# Altium PCB PiTopAudio.PcbDoc
Units mm, origin at the board's own origin, x right, y up, seen from the top; angles counter-clockwise.
Board outline 58.99 x 68.68 mm, 2 copper layers (Top Layer, Bottom Layer), stack 1.071 mm thick; 42 components, 27 nets, 213 pads, 61 vias.
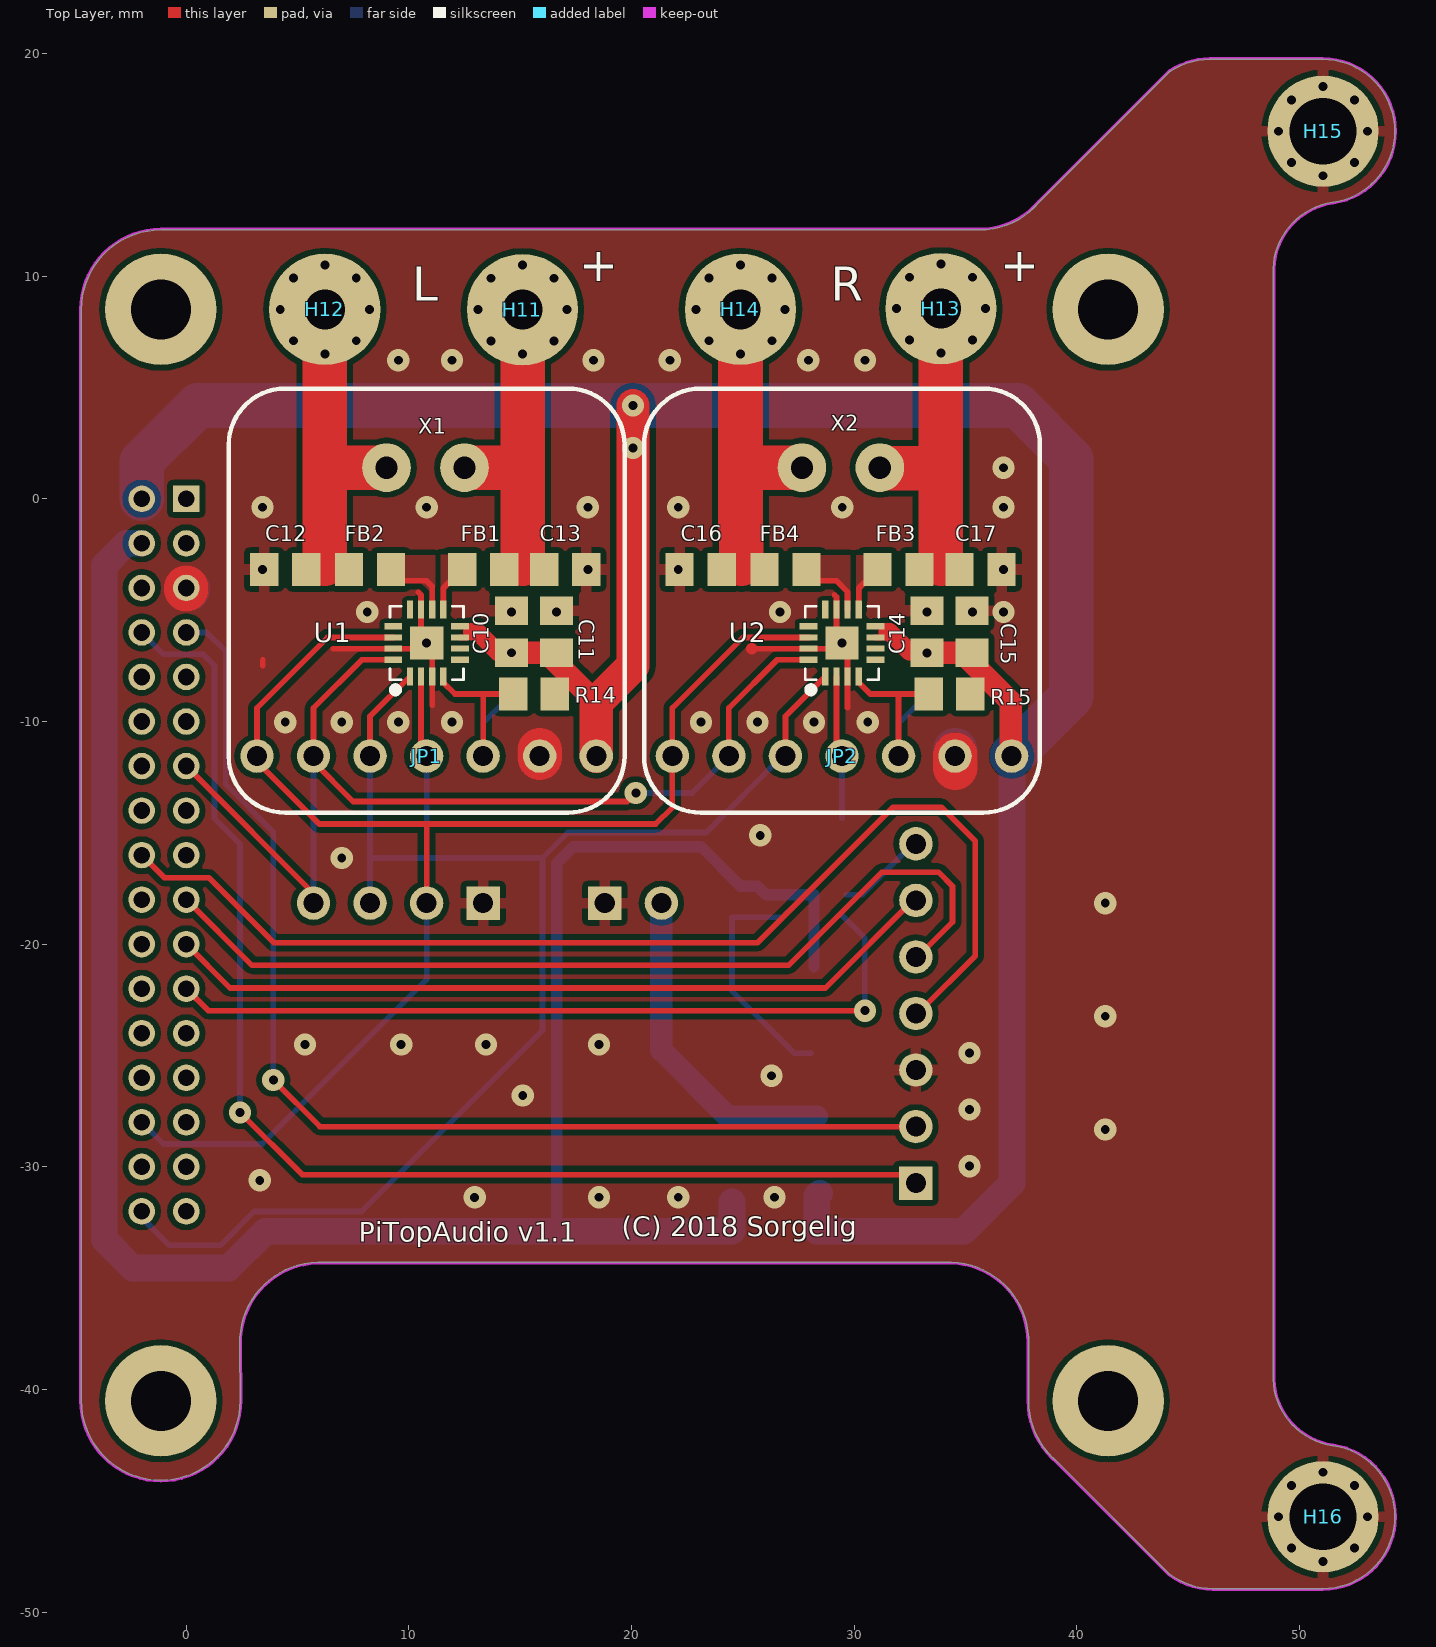
[diagram p0: Top Layer view]
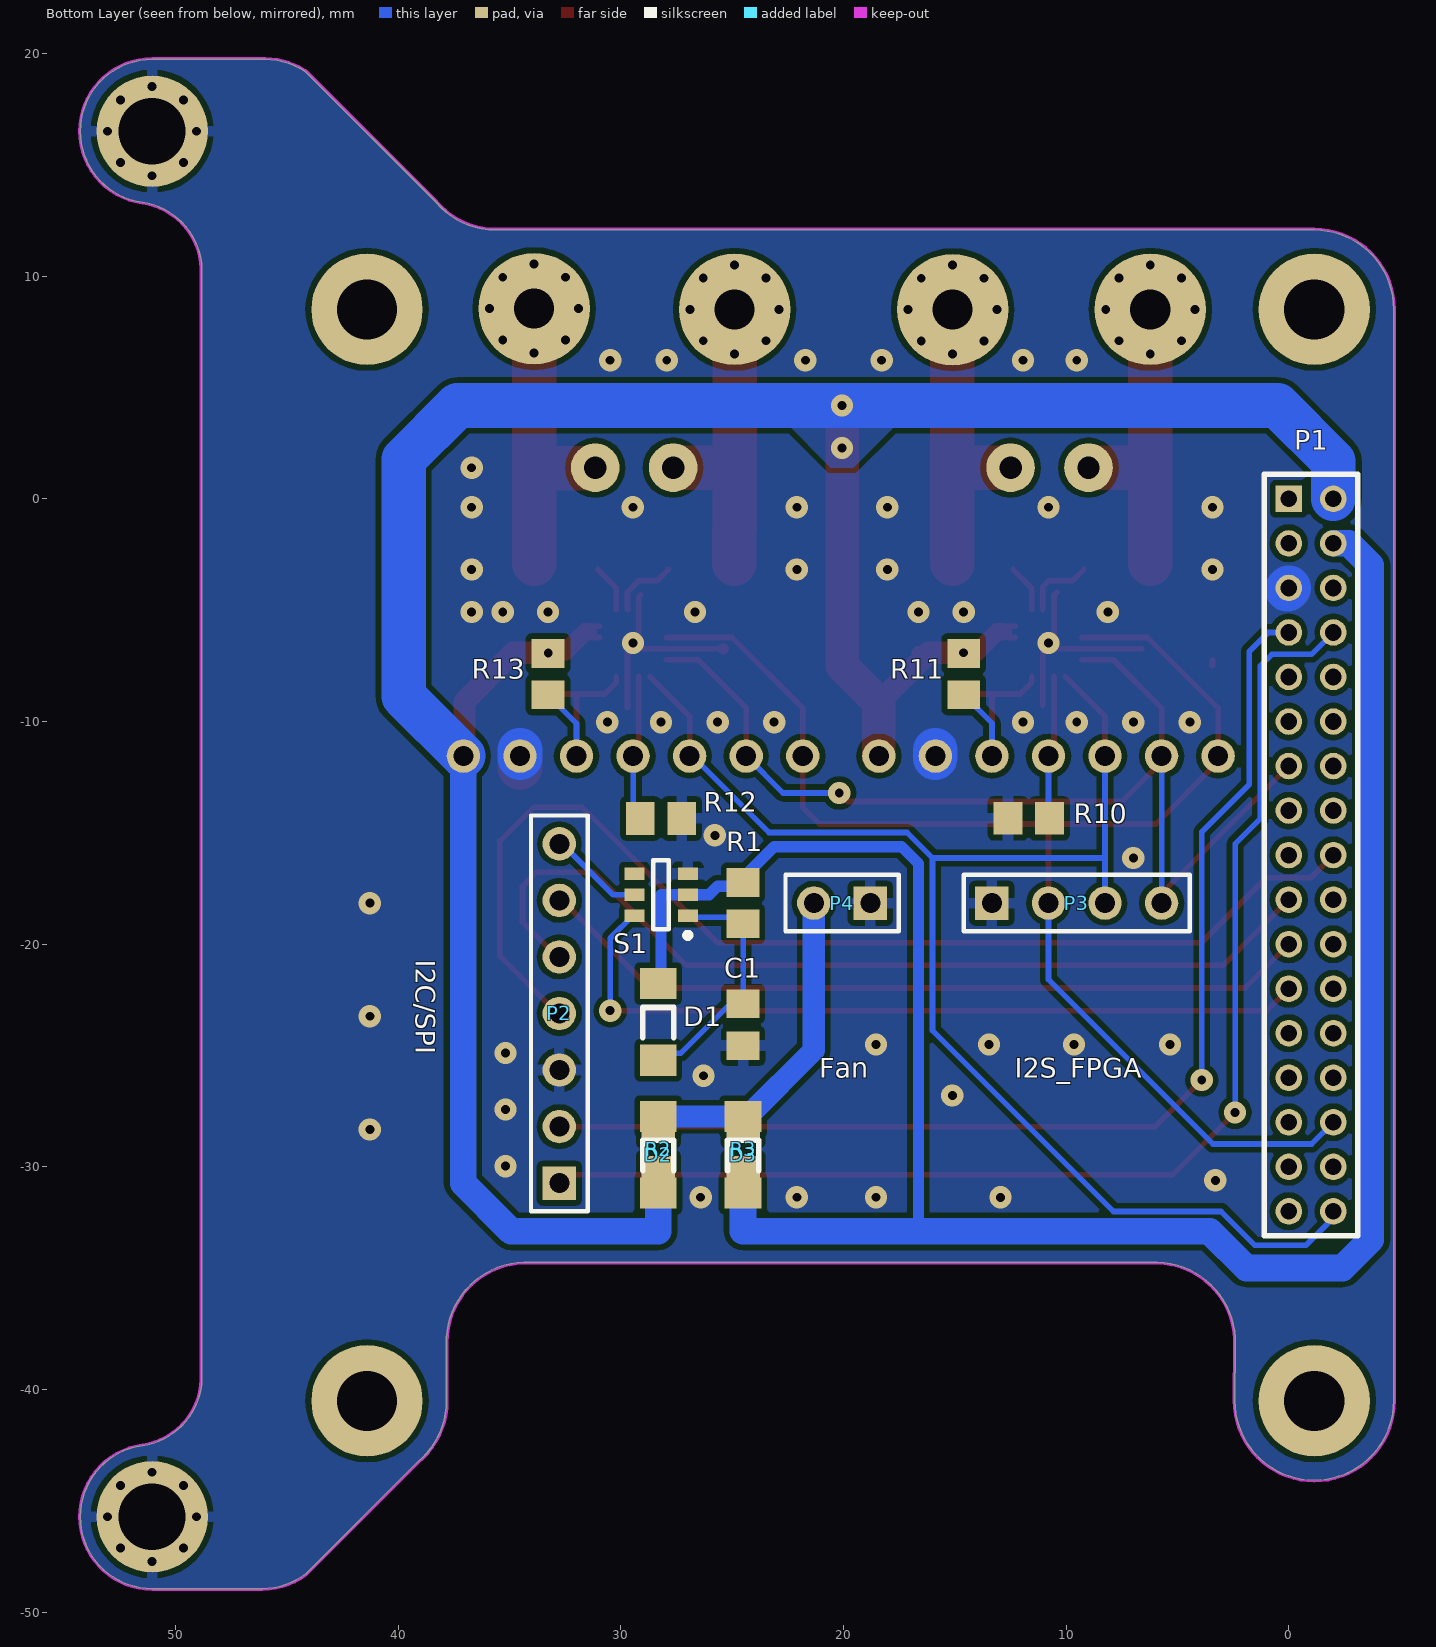
[diagram p1: Bottom Layer view, seen from below]
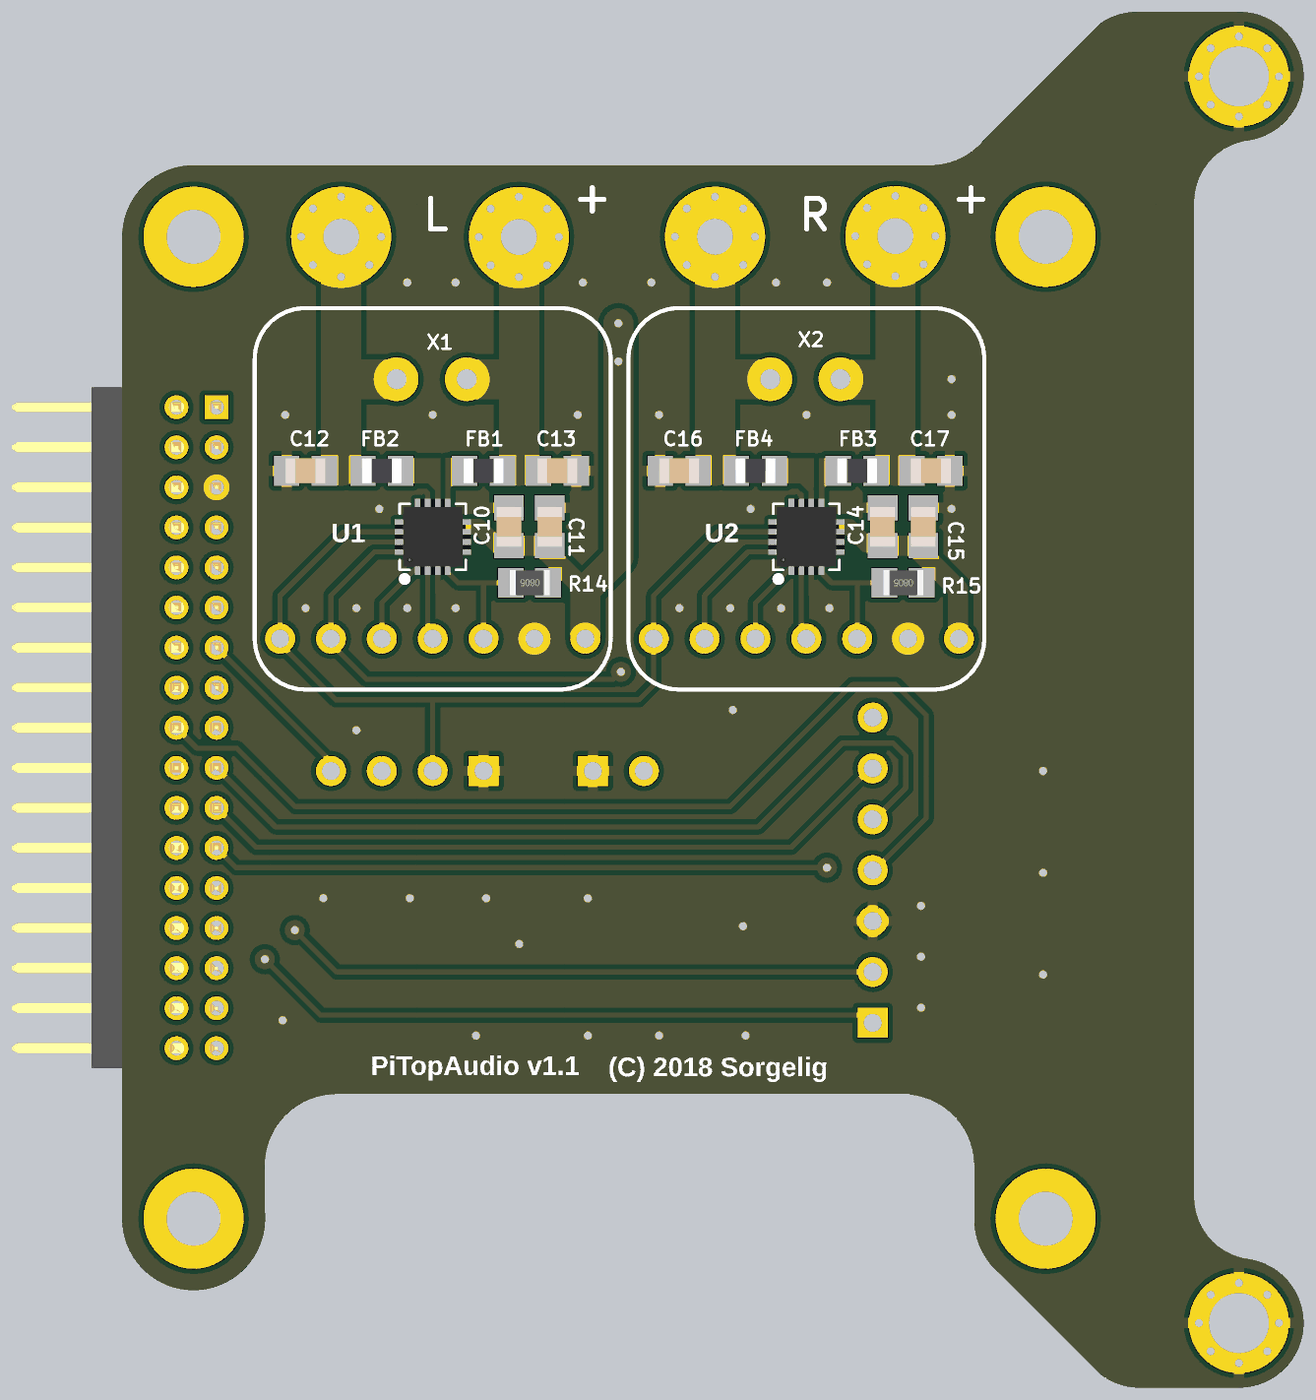
[diagram p2: 3D render of the assembled board from above, using the file's embedded part models]
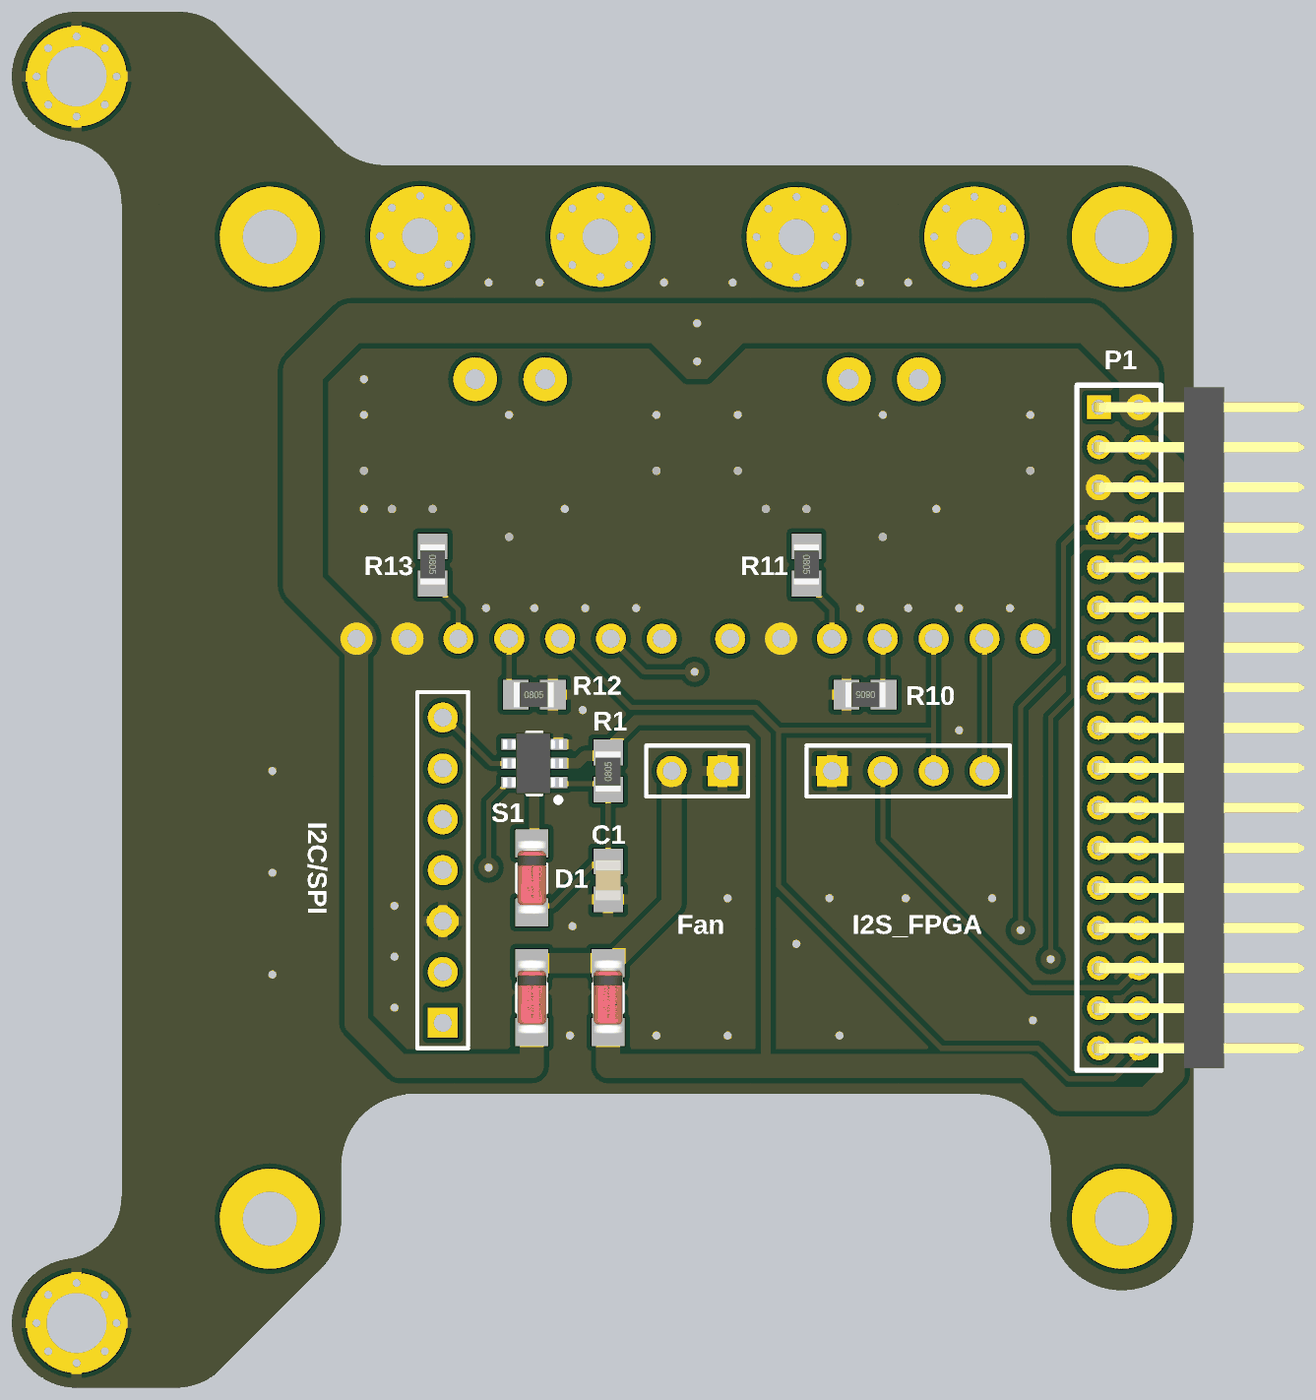
[diagram p3: 3D render of the assembled board from below, using the file's embedded part models]

## Layer stack, top to bottom
Top Solder: solder mask 0.0102, Solder Resist, Dk 3.5
Top Layer: signal copper 0.0356
Dielectric 1: dielectric 1, FR-4, Dk 4.8
Bottom Layer: signal copper 0.0356
Bottom Solder: solder mask 0.0102, Solder Resist, Dk 3.5

## Board outline
-1.143,-44.078 cw(c-1.143,-40.511) -4.71,-40.511 -4.71,8.511 cw(c-1.143,8.511) -1.143,12.078 35.635,12.078 ccw(c35.635,15.549) 38.294,13.318 44.16,19.184 cw(c44.195,19.148) 44.189,19.198 cw(c45.974,16.512) 45.974,19.737 51.054,19.737 cw(c51.054,16.512) 54.279,16.512 cw(c51.054,16.512) 51.503,13.318 ccw(c51.938,10.224) 48.815,10.325 cw(c48.769,10.307) 48.818,10.306 48.818,-39.512 cw(c48.769,-39.513) 48.815,-39.531 ccw(c51.938,-39.43) 51.502,-42.524 cw(c51.054,-45.718) 54.279,-45.718 cw(c51.054,-45.718) 51.054,-48.943 46.101,-48.943 cw(c46.101,-45.718) 44.166,-48.298 39.129,-43.262 cw(c41.407,-40.511) 37.835,-40.511 37.835,-37.973 ccw(c34.258,-37.867) 34.364,-34.29 5.901,-34.29 ccw(c5.991,-37.876) 2.405,-37.973 2.424,-40.511 cw(c-1.143,-40.511)

## Design rules (kind name [scope] priority, off if disabled: settings)
BoardOutlineClearance [All] p1: gap=0 ignorepadtopadclearanceinfootprint=FALSE
Clearance keep-out_clearance [InNamedPolygon('ground') vs OnLayer('Keep-Out Layer')] p1: gap=0 ignorepadtopadclearanceinfootprint=FALSE
Clearance [(InComponent('U1') OR InComponent('U2'))] p2: gap=0.2 ignorepadtopadclearanceinfootprint=TRUE except(0: Arc-Hole Track-Hole SMDPad-Hole THPad-Hole Via-Hole Fill-Hole Poly-Hole Region-Hole Text-Hole)
Clearance Clearance_1 [All] p3: gap=0.254 ignorepadtopadclearanceinfootprint=TRUE except(0: Arc-Hole Track-Hole SMDPad-Hole THPad-Hole Via-Hole Fill-Hole Poly-Hole Region-Hole Text-Hole; 0.1: Arc-Arc Arc-Track Arc-SMDPad Track-Track Track-SMDPad)
ComponentClearance [All] p1 off: gap=0.254 collisioncheckmode=3 verticalgap=0.254 showdistances=FALSE
Height [All] p1 off: minheight=0 maxheight=25.4 prefheight=12.7
HoleSize [All] p1: absolutevalues=TRUE maxlimit=6 minlimit=0.025 maxpercent=80.000 minpercent=20.000
MinimumSolderMaskSliver [InComponent('U*')] p1: minsoldermaskwidth=0.2
MinimumSolderMaskSliver MinimumSolderMaskSliver_1 [All] p2: minsoldermaskwidth=0.25
PolygonConnect PolygonConnect_1 [InNet('NetFB*')] p1: connectstyle=Direct reliefconductorwidth=0.762 reliefentries=4 polygonreliefangle="90 Angle" airgapwidth=0.254
PolygonConnect PolygonConnect_2 [IsVia] p2: connectstyle=Direct reliefconductorwidth=0.762 reliefentries=4 polygonreliefangle="90 Angle" airgapwidth=0.254
PolygonConnect [not IsVia] p3: connectstyle=Relief reliefconductorwidth=0.5 reliefentries=4 polygonreliefangle="90 Angle" airgapwidth=0.254
RoutingVias [All] p1: holewidth=0.4 width=1 viastyle="Through Hole" minholewidth=0.4 minwidth=1 maxholewidth=0.4 maxwidth=1
SilkToSolderMaskClearance [IsPad] p1 off: minsilkscreentomaskgap=0.127 clearancetoexposedcopper=TRUE
SolderMaskExpansion SolderMaskExpansion_U1 [InComponent('U1')] p1: expansion=0
SolderMaskExpansion [All] p2: expansion=0.051
Width Width_power [InNetClass('power')] p1: maxlimit=2 minlimit=0.254 preferedwidth=0.508 minimp=50.000000 maximp=50.000000 favimp=50.000000
Width Width_signal [All] p2: maxlimit=2 minlimit=0.254 preferedwidth=0.254 minimp=50.000000 maximp=50.000000 favimp=50.000000
25 further rules are at their usual default settings.

## Classes and differential pairs
component class audio: C10 C11 C12 C13 C14 C15 C16 C17 FB1 FB2 FB3 FB4 H11 H12 H13 H14 H15 H16 JP1 JP2 P3 R10 R11 R12 R13 R14 R15 U1 U2 X1 X2
component class serial: C1 D1 D2 D3 P1 P2 P2R P4 R1 R2 R3 S1
net class power: 3.3V 5V GND NetD2_2

## Components (designator, comment, footprint, x,y, rotation, side; value= is the part's Value field where it differs from the comment)
C1 "C0805" C0805 24.511,-23.62 r90 bottom value=10uF
C10 "C0805" C0805 14.605,-5.967 r270 top value=0.1uF
C11 "C0805" C0805 16.637,-5.967 r270 top value=10uF
C12 "C0805" C0805 4.445,-3.173 r0 top value=220pF
C13 "C0805" C0805 17.018,-3.173 r180 top value=220pF
C14 "C0805" C0805 33.261,-5.967 r270 top value=0.1uF
C15 "C0805" C0805 35.293,-5.967 r270 top value=10uF
C16 "C0805" C0805 23.101,-3.173 r0 top value=220pF
C17 "C0805" C0805 35.674,-3.173 r180 top value=220pF
D1 "1N4148" DIODE 28.321,-23.493 r270 bottom
D2 "Diode" DIODE 28.321,-29.462 r270 bottom
D3 "Diode" DIODE 24.511,-29.462 r270 bottom
FB1 "Ferrite" FB0805 13.335,-3.173 r0 top
FB2 "Ferrite" FB0805 8.255,-3.173 r180 top
FB3 "Ferrite" FB0805 31.991,-3.173 r0 top
FB4 "Ferrite" FB0805 26.911,-3.173 r180 top
H11 "M3" M3#1 15.1,8.498 r90 top locked
H12 "M3" M3#1 6.223,8.511 r90 top locked
H13 "M3" M3#1 33.896,8.543 r90 top locked
H14 "M3" M3#1 24.892,8.511 r90 top locked
H15 "M3" M3#2 51.054,16.512 r270 top locked
H16 "M3" M3#2 51.054,-45.718 r270 top locked
JP1 "Header 7" HDR1X7#1 18.415,-11.555 r180 top
JP2 "Header 7" HDR1X7#1 37.071,-11.555 r180 top locked
P1 "HDR17x2" HDR17X2_90 0,0 r90 bottom locked
P2 "I2C/SPI" HDR1X7#2 32.766,-30.732 r90 bottom
P3 "I2S_FPGA" HDR1X4 13.335,-18.159 r180 bottom
P4 "Fan" HDR1X2 18.796,-18.159 r0 bottom
R1 "100K" R0805 24.511,-18.159 r90 bottom
R2 "10" 6-0805 28.321,-29.208 r90 bottom
R3 "10" 6-0805 24.511,-29.208 r90 bottom
R10 "100K" R0805 11.684,-14.349 r0 bottom
R11 "1K" R0805 14.605,-7.874 r270 bottom
R12 "100K" R0805 28.194,-14.351 r180 bottom
R13 "620K" R0805 33.274,-7.874 r270 bottom
R14 "1M" R0805 15.621,-8.761 r180 top
R15 "1M" R0805 34.277,-8.761 r180 top
S1 "STG719STR" SOT23-6_L 28.194,-17.778 r0 bottom
U1 "MAX98357A" QFN16_3MM 10.795,-6.475 r90 top
U2 "MAX98357A" QFN16_3MM 29.451,-6.475 r90 top
X1 "TERMBLOCK_1X2" TERMBLOCK_1X2-3.5MM 10.795,1.399 r180 top locked
X2 "TERMBLOCK_1X2" TERMBLOCK_1X2-3.5MM 29.451,1.399 r180 top locked

## Footprints (in the part's own frame and the unit in brackets; to place one, negate y for a bottom-side part, rotate by r counter-clockwise, add the part's x,y. Pads: shape width x height; smd on the part's side, far side on the other; paste and mask are expansions set on the pad)
6-0805 [mm] "Chip Resistor; Body 2 x 1.2 mm (LxW typ)"
  rect 1.3x1.5 smd: 1(-0.95,0) 2(0.95,0)
C0805 [mm] "Capacitor, Chip; 2.35 mm L X 1.35 mm W X 1.00 mm H body"
  rect 1.27x1.48 smd: 1(-0.945,0) 2(0.945,0)
  body extent -1,-0.63 1,0.63, height 0.58
DIODE [mm] "Diode, Chip; 4.05 mm L X 1.55 mm W X 1.50 mm H body"
  rect 1.4x1.65 smd: 1(1.72,0) 2(-1.72,0)
  silkscreen extent -0.65,-0.7 0.7,0.7, body extent -1.88,-0.8 1.82,0.8, height 1.6
FB0805 [mm] "Ferrite Bead 0805"
  rect 1.27x1.48 smd: 1(-0.945,0) 2(0.945,0)
  body extent -1,-0.62 1,0.63, height 0.83
HDR1X2 [mm] "Connector; Header; 2 Position"
  rect 1.5x1.5 hole 0.9: 1(0,0)
  round 1.5 hole 0.9: 2(2.54,0)
  silkscreen extent -1.27,-1.27 3.81,1.27
HDR1X4 [mm] "Connector; Header; 4 Position"
  rect 1.5x1.5 hole 0.9: 1(0,0)
  round 1.5 hole 0.9: 2(2.54,0) 3(5.08,0) 4(7.62,0)
  silkscreen extent -1.27,-1.27 8.89,1.27
HDR1X7#1 [mm] "Connector; Header; 7 Position"
  round 1.5 hole 0.9: 1(0,0) 2(2.54,0) 3(5.08,0) 4(7.62,0) 5(10.16,0) 6(12.7,0) 7(15.24,0)
HDR1X7#2 [mm] "Connector; Header; 7 Position"
  rect 1.5x1.5 hole 0.9: 1(0,0)
  round 1.5 hole 0.9: 2(2.54,0) 3(5.08,0) 4(7.62,0) 5(10.16,0) 6(12.7,0) 7(15.24,0)
  silkscreen extent -1.27,-1.27 16.51,1.27
HDR17X2_90 [mm] "Header, Right Angle Post, 2.00 mm pitch; 0.50 mm lead width, 34 pins, 2 rows, 17 pins per row, 34.00 mm L X 2.00 mm W X 4.00 mm H body"
  rect 1.19x1.19 hole 0.75 paste-1.19: 1(0,0)
  round 1.19 hole 0.75 paste-1.19: 2(0,-2) 3(-2,0) 4(-2,-2) 5(-4,0) 6(-4,-2) 7(-6,0) 8(-6,-2) 9(-8,0) 10(-8,-2) 11(-10,0) 12(-10,-2) 13(-12,0) 14(-12,-2) 15(-14,0) 16(-14,-2) 17(-16,0) 18(-16,-2) 19(-18,0) 20(-18,-2) 21(-20,0) 22(-20,-2) 23(-22,0) 24(-22,-2) 25(-24,0) 26(-24,-2) 27(-26,0) 28(-26,-2) 29(-28,0) 30(-28,-2) 31(-30,0) 32(-30,-2) 33(-32,0) 34(-32,-2)
  silkscreen extent -33.1,-3.1 1.1,1.1, body extent -33,-10.24 1,0.25, height 4
M3#1 [mm] "Mounting Hole, Plated; 5.00 mm Pad, 3.00 mm Hole (with 8 vias)"
  round 0.6 hole 0.4 paste-0.6 mask-0.6: 1(-2,0) 1(-1.41,-1.41) 1(-1.41,1.41) 1(0,-2) 1(1.41,-1.41) 1(1.41,1.41) 1(2,0)
  round 0.6 hole 0.4 paste-0.4 mask-0.4: 1(0,2)
  round 5 hole 1.8: 1(0,0)
M3#2 [mm] "Mounting Hole, Plated; 5.00 mm Pad, 3.00 mm Hole (with 8 vias)"
  round 0.6 hole 0.4 paste-0.6 mask-0.6: 1(-2,0) 1(-1.41,1.41) 1(-1.41,-1.41) 1(0,-2) 1(1.41,1.41) 1(1.41,-1.41) 1(2,0)
  round 0.6 hole 0.4 paste-0.4 mask-0.4: 1(0,2)
  round 5 hole 3: 1(0,0)
QFN16_3MM [mil] "QFN16_3MM"
  rect 31.5x11.02 smd mask+0: 1(-59.06,29.53) 2(-59.06,9.84) 3(-59.06,-9.84) 4(-59.06,-29.53) 9(59.06,-29.53) 10(59.06,-9.84) 11(59.06,9.84) 12(59.06,29.53)
  rect 11.02x31.5 smd mask+0: 5(-29.53,-59.06) 6(-9.84,-59.06) 7(9.84,-59.06) 8(29.53,-59.06) 13(29.53,59.06) 14(9.84,59.06) 15(-9.84,59.06) 16(-29.53,59.06)
  rect 59.06x59.06 smd paste-29.53: THERMAL(0,0)
  silkscreen extent -88,-65 65,65, body extent -59,-59 59,59, height 36
R0805 [mm] "Resistor, Chip; 2.32 mm L X 1.25 mm W X 1.00 mm H body"
  rect 1.29x1.47 smd: 1(-0.93,0) 2(0.93,0)
  body extent -1.03,-0.62 0.97,0.63, height 0.42
SOT23-6_L [mm] "SOT23, 6-Leads, Body 2.9x1.6mm, Pitch 0.95mm, Lead Span 2.7mm, IPC High Density"
  rect 0.9x0.56 smd mask+0.051: 1(-1.2,0.95) 2(-1.2,0) 3(-1.2,-0.95) 4(1.2,-0.95) 5(1.2,0) 6(1.2,0.95)
  silkscreen extent -1.32,-1.55 0.35,1.95, body extent -1.44,-1.52 1.56,1.53, height 1.37
TERMBLOCK_1X2-3.5MM [mil] "TERMBLOCK_1X2-3.5MM"
  round 86 hole 39.37: 1(70.87,0) 2(-66.93,0)

## Part data
C1 C10 C11 C12 C13 C14 C15 C16 C17: "Ceramic Chip Capacitor - Standard", PackageDocument=Mar-2001, Code_IPC=2012[0805], Code_JEITA=0805, ComponentLink1Description="Manufacturer Link", ComponentLink1URL=http://www.kemet.com/, ComponentLink2Description=Datasheet, ComponentLink2URL=http://www.kemet.com/kemet/web/homepage/kechome.nsf/vapubfilesname/F3102TA.pdf/$file/F3102TA.pdf, DatasheetDocument=Mar-2001, LatestRevisionDate=19-Mar-2004, LatestRevisionNote="Silkscreen size reduced.", Note="Footprint corresponds to dimensions for bulk cassette packaging. This case size has tightened tolerances.", PackageReference=0805, Published=17-Jul-2002, Publisher="Altium Limited"
D1: library part Diode, "Default Diode", Code_JEDEC=DO-214-AB, LatestRevisionDate=17-Jul-2002, LatestRevisionNote="Re-released for DXP Platform.", PackageDescription="DO-214-AB/SMC; 2 C-Bend Leads; Body 7.9 x 5.9 mm, inc. leads (LxW)", PackageReference=SMC, PackageVersion=Sep-1996, Published=8-Jun-2000, Publisher="Altium Limited"
D2 D3: "Default Diode", Code_JEDEC=DO-214-AB, LatestRevisionDate=17-Jul-2002, LatestRevisionNote="Re-released for DXP Platform.", PackageDescription="DO-214-AB/SMC; 2 C-Bend Leads; Body 7.9 x 5.9 mm, inc. leads (LxW)", PackageReference=SMC, PackageVersion=Sep-1996, Published=8-Jun-2000, Publisher="Altium Limited"
FB1 FB2 FB3 FB4: library part FERRITE-0805NO, "Ferrite Bead   0603 MMZ1608B121C - 120 Ohm @ 100MHz, 600mA, 0.15 Ohm DC Resistance - Digikey: 445-2164-1-ND  BK1608HW121-T - 120 Ohm, 600mA Ferrite Chip - Digikey: 587-1876-2-ND       0805 HZ0805B272R-10 - 2.7K Ohm @ 100MHz, 200mA, 0.8 Ohm DC Resistance - Digikey: 240-2504-1-ND (see also Murata BLM21BD272SN1L)  MMZ2012Y152B - 1.5K Ohm @ 100MHz, 500mA, 0.4 Ohm DC Resistance - Digikey: 445-1560-1-ND - Mainly for high frequency (80-400MHz)  MMZ2012R102A - 1K Ohm @ 100MHz, 500mA, 0.3 Ohm DC Resistance - Digikey: 445-1555-2-ND - More general purpose (10-200MHz)"
JP1 JP2: "Header, 7-Pin", LatestRevisionDate=17-Jul-2002, LatestRevisionNote="Re-released for DXP Platform.", Publisher="Altium Limited"
P2: library part "Header 7", "Header, 7-Pin", LatestRevisionDate=17-Jul-2002, LatestRevisionNote="Re-released for DXP Platform.", Publisher="Altium Limited"
P3: library part "Header 4", "Header, 4-Pin", LatestRevisionDate=17-Jul-2002, LatestRevisionNote="Re-released for DXP Platform.", Publisher="Altium Limited"
P4: library part "Header 2", "Header, 2-Pin", LatestRevisionDate=17-Jul-2002, LatestRevisionNote="Re-released for DXP Platform.", Publisher="Altium Limited"
R1 R2 R3 R10 R11 R12 R13 R14 R15: library part ERJ6RS, "Low Ohmic Value Thick Film Chip Resistor, 0.1 Ohm to 0.2 Ohm Range, 1%, 2% and 5% Tolerance, 0805 Size, 0.125 W", PackageDocument=Mar-2003, Code_IPC="2012 [0805]", ComponentLink1Description="Manufacturer Link", ComponentLink1URL=http://www.panasonic.com/industrial/components/resistive_products.htm, ComponentLink2Description=Datasheet, ComponentLink2URL=http://www.panasonic.com/industrial/components/pdf/AOA0000CE3.pdf, LatestRevisionDate=19-Mar-2004, LatestRevisionNote="Silkscreen size reduced.", PackageReference=6-0805, Published=17-Dec-2003, Publisher="Altium Limited"
S1: "STMICROELECTRONICS - STG719STR - IC, SWITCH, SPDT, SMD", Manufacturer_Name=STMicroelectronics, Datasheet Link=http://www.st.com/content/ccc/resource/technical/document/datasheet/10/33/73/59/23/59/49/0b/CD00002039.pdf/files/CD00002039.pdf/jcr:content/translations/en.CD00002039.pdf, Geometry.Height=1.45mm, Manufacturer_Part_Number=STG719STR, Supplier_Name=RS
U1 U2: library part MAX98357, "MAX98357 - 3.2W I2S Mono Audio Amp", VDD:Op.Temp="VDD:  / Op. Temp:"
X1 X2: "3.5mm Terminal block    http://www.ladyada.net/library/pcb/eaglelibrary.html"

## Free pads (board coordinates)
  round 5 hole 2.7: ""(-1.143,-40.511) ""(-1.143,8.511) ""(41.402,-40.511) ""(41.402,8.511)

## Via types
v1: diameter 1, hole 0.4, Top Layer to Bottom Layer, tented both sides, 61 vias

## Nets (pads, with @x,y where several pads share a name; then routed paths per layer and width w, separated by ;. In a path a pad name is that pad's centre, name@x,y a point inside that pad or via, vN(x,y) a via of type N, cw(c..) or ccw(c..) an arc to the next point about the centre after c; other vN are vias at no path point)
3.3V: D1.2 D3.1 P1.4 R1.2 R3.1 S1.2 | length 95.6
  Bottom Layer w0.508: 16.637,-32.893 16.637,-16.383 17.399,-15.621 23.114,-15.621 24.892,-17.399 25.654,-17.399 26.035,-17.78 28.194,-17.78 28.194,-21.011
  Bottom Layer w1.2: P1.4 -2.697,-2 -3.683,-2.986 -3.683,-33.272 -2.413,-34.542 1.905,-34.542 3.554,-32.893 16.637,-32.893 24.511,-32.893 D3.1@24.511,-31.563
5V: C10.2 C11.2 C14.2 C15.2 D2.1 JP1.1 JP2.1 P1.2 R2.1 R11.1 R13.1 R14.1 R15.1 U1.7 U1.8 U2.7 U2.8 | length 128.3
  Top Layer w0.254: U1.7 12.569,-6.225 ccw(c12.569,-5.967) 12.827,-5.967 ccw(c12.585,-5.967) 12.585,-5.725 U1.8 ; U2.7 31.225,-6.225 ccw(c31.225,-5.967) 31.483,-5.967 ccw(c31.241,-5.967) 31.241,-5.725 U2.8
  Top Layer w0.508: v1(33.261,-6.917) C14.2
  Top Layer w0.61: C11.2@16.19,-6.917 C11.2@16.637,-6.917 ; JP1.1@18.369,-11.561 JP1.1@18.37,-11.555
  Top Layer w0.8: 12.827,-5.967 13.081,-5.967 14.026,-6.912 v1(14.605,-6.912) ; 31.483,-5.967 31.501,-5.985 31.6,-5.985 32.471,-6.856 C14.2@32.639,-6.856
  Top Layer w1: C10.2@14.61,-6.917 16.19,-6.917 18.415,-9.142 JP1.1 JP1.1@18.413,-11.557 ; v1(33.261,-6.917) 34.846,-6.917 35.067,-7.138 37.027,-9.098 JP2.1@37.027,-11.55
  Top Layer w1.5: JP1.1@18.413,-11.557 JP1.1 18.415,-9.142 20.066,-7.491 v1(20.066,2.288) v1(20.066,4.193)
  Bottom Layer w0.508: JP2.1 JP2.1@37.071,-11.288
  Bottom Layer w1.2: D2.1@28.448,-31.182 28.321,-31.309 28.321,-32.893 34.925,-32.893 37.084,-30.734 JP2.1@37.084,-11.542
  Bottom Layer w2: P1.2 -2,1.685 0.508,4.193 v1(20.066,4.193) 37.338,4.193 39.751,1.78 39.751,-8.875 JP2.1@37.084,-11.542
GND: C1.1 C10.1 C11.1 C12.1 C13.1 C14.1 C15.1 C16.1 C17.1 H15.1 H16.1 JP1.2 JP2.2 P1.5 P2.3 P3.1 P4.1 R10.2 R12.2 S1.3 U1.3 U1.11 U1.15 U1.THERMAL U2.3 U2.11 U2.15 U2.THERMAL | length 18.8
  Top Layer w0.254: 3.429,-7.491 3.429,-7.237 ; 6.604,-6.725 U1.15 U1.THERMAL@10.545,-6.725 ; 10.414,-4.189 10.498,-4.273 ; U1.THERMAL@10.545,-6.225 U1.11 10.545,-4.316 ; 11.045,-9.265 U1.3 U1.THERMAL@11.045,-6.725 ; 25.404,-6.725 U2.15 U2.THERMAL@29.201,-6.725 ; 29.117,-4.316 29.201,-4.4 U2.11 U2.THERMAL@29.201,-6.225 ; 29.701,-9.379 U2.3 U2.THERMAL@29.701,-6.725
  Top Layer w0.508: 25.4,-6.729 25.404,-6.725
  Top Layer w2: P1.5@0,-4.062 P1.5 ; JP1.2@15.875,-11.617 JP1.2 JP1.2@15.875,-11.301 ; JP2.2@34.531,-12.065 JP2.2 JP2.2@34.531,-11.493
  Bottom Layer w2: P1.5 P1.5@0.062,-4.062 ; JP1.2@15.875,-11.617 JP1.2 JP1.2@15.875,-11.301 ; JP2.2@34.531,-11.617 JP2.2 JP2.2@34.531,-11.301
  other v1: 12.954,-31.369 18.542,-31.367 22.098,-31.367 26.416,-31.367 3.302,-30.607 35.179,-29.97 41.275,-28.319 35.179,-27.43 15.113,-26.797 26.289,-25.908 35.179,-24.89 5.334,-24.509 9.652,-24.509 13.462,-24.509 18.542,-24.509 41.275,-23.239 41.275,-18.159 6.985,-16.129 25.781,-15.113 4.445,-10.031 6.985,-10.031 9.525,-10.031 11.938,-10.031 23.114,-10.031 25.654,-10.031 28.194,-10.031 30.607,-10.031 10.795,-6.475 29.451,-6.475 8.128,-5.078 14.605,-5.078 16.637,-5.078 26.67,-5.078 33.274,-5.078 35.306,-5.078 36.703,-5.078 3.429,-3.173 18.034,-3.173 22.098,-3.173 36.703,-3.173 3.429,-0.379 10.795,-0.379 18.034,-0.379 22.098,-0.379 29.464,-0.379 36.703,-0.379 36.703,1.399 9.525,6.225 11.938,6.225 18.288,6.225 21.717,6.225 27.94,6.225 30.48,6.225
I2S_BCLK: JP1.6 JP2.6 P1.13 P3.4 U1.16 U2.16 | length 49
  Top Layer w0.254: P1.13 5.969,-17.969 P3.4@5.969,-18.159 ; U1.16 7.886,-7.225 5.715,-9.396 JP1.6 5.715,-11.809 7.495,-13.589 19.812,-13.589 v1(20.193,-13.208) ; JP2.6 24.371,-9.396 26.542,-7.225 U2.16
  Bottom Layer w0.254: P3.4 JP1.6 ; v1(20.193,-13.208) 22.718,-13.208 JP2.6
I2S_DATA: JP1.5 JP2.5 P1.34 P3.3 U1.1 U2.1 | length 67.3
  Top Layer w0.254: JP1.5@8.128,-11.682 JP1.5 8.255,-9.765 U1.1 ; JP2.5 26.911,-9.765 U2.1
  Bottom Layer w0.254: P1.34 -2,-32.288 -0.762,-33.526 1.524,-33.526 3.046,-32.004 7.874,-32.004 16.002,-23.876 16.002,-16.129 ; 8.255,-16.383 8.255,-16.129 ; 8.255,-15.621 8.255,-16.129 ; 8.255,-15.49 JP1.5@8.255,-11.682 ; 8.255,-15.363 8.255,-16.129 ; P3.3@8.509,-18.159 8.255,-17.905 8.255,-16.129 ; JP2.5@26.784,-11.555 23.353,-14.986 17.145,-14.986 16.002,-16.129 ; 8.255,-16.129 16.002,-16.129
I2S_LRCLK: JP1.7 JP2.7 P1.30 P3.2 U1.14 U2.14 | length 65.3
  Top Layer w0.254: U1.14 6.346,-6.225 3.175,-9.396 JP1.7 3.175,-11.809 5.971,-14.605 10.795,-14.605 ; P3.2@11.049,-18.159 10.795,-17.905 10.795,-14.605 ; U2.14 25.002,-6.225 21.831,-9.396 JP2.7 21.831,-13.856 21.082,-14.605 10.795,-14.605
  Bottom Layer w0.254: P1.30 -1.024,-28.976 3.407,-28.976 10.795,-21.588 10.795,-18.413 P3.2@11.049,-18.159
MISO: P1.19 P2.5 | length 41.5
  Top Layer w0.254: P1.19 2.953,-20.953 27.053,-20.953 31.242,-16.764 33.782,-16.764 34.417,-17.399 34.417,-19.007 32.979,-20.445 P2.5@32.766,-20.445
MOSI: P1.18 P2.4 | length 51.1
  Top Layer w0.254: P1.18 -0.984,-17.016 1.016,-17.016 3.937,-19.937 25.656,-19.937 31.75,-13.843 33.909,-13.843 35.433,-15.367 35.433,-20.531 32.979,-22.985 P2.4@32.766,-22.985
NetC1_2: C1.2 D1.1 R1.1 S1.1 | length 10.6
  Bottom Layer w0.254: S1.1@26.994,-18.581 26.779,-18.796 24.511,-18.796 R1.1 24.511,-22.098 27.305,-24.892 D1.1@28.067,-24.892
NetC12_2: C12.2 FB2.2 H12.1 X1.1 | length 14.6
  Top Layer w0.813: X1.1@8.63,1.034 cw(c9.029,-0.711) X1.1@9.029,1.079
  Top Layer w2: 6.223,-2.919 6.223,1.399 ; H12.1@6.223,8.511 6.223,6.511 6.223,1.399 ; X1.1 6.223,1.399
NetC13_2: C13.2 FB1.2 H11.1 X1.2 | length 14.1
  Top Layer w0.254: H11.1@15.1,6.498 H11.1@15.1,8.498
  Top Layer w2: X1.2 15.112,1.399 ; 15.113,-2.919 H11.1@15.113,6.498 ; H11.1@15.113,8.498 H11.1@15.113,8.543
NetC16_2: C16.2 FB4.2 H14.1 X2.1 | length 14
  Top Layer w2: 24.892,-1.313 24.892,1.399 ; H14.1@24.892,8.384 24.892,6.511 24.892,1.399 ; 24.916,-2.919 24.916,-1.336 ; X2.1 24.892,1.399
NetC17_2: C17.2 FB3.2 H13.1 X2.2 | length 14.6
  Top Layer w0.254: H13.1@33.896,8.511 33.902,8.512 H13.1@34.499,8.638
  Top Layer w2: X2.2@31.126,1.374 33.896,1.374 ; 33.896,-2.919 33.896,1.374 ; H13.1@33.896,8.257 33.896,6.543 33.896,1.374 ; H13.1@33.896,8.511 H13.1@33.896,8.512
NetD2_2: D2.2 D3.2 P4.2 R2.2 R3.2 | length 15
  Bottom Layer w0.508: D3.2@24.313,-27.742 D3.2 ; D2.2 D2.2@28.448,-27.742
  Bottom Layer w1: P4.2 21.336,-24.765 D3.2@24.313,-27.742 ; D3.2 D2.2
NetFB1_1: FB1.1 U1.9 | length 2.1
  Top Layer w0.254: U1.9 11.545,-4.013 FB1.1@12.385,-3.173
NetFB2_1: FB2.1 U1.10 | length 3.2
  Top Layer w0.254: FB2.1@9.205,-3.173 9.713,-3.681 10.795,-3.681 11.045,-3.931 U1.10
NetFB3_1: FB3.1 U2.9 | length 2.1
  Top Layer w0.254: U2.9 30.201,-4.013 FB3.1@31.041,-3.173
NetFB4_1: FB4.1 U2.10 | length 3
  Top Layer w0.254: FB4.1@27.861,-3.173 28.369,-3.681 29.197,-3.681 29.701,-4.185 U2.10
NetJP1_3: JP1.3 R11.2 R14.2 U1.4 | length 9.7
  Top Layer w0.254: U1.4 11.545,-8.241 12.065,-8.761 13.335,-8.761 ; JP1.3 13.335,-8.761 ; R14.2@14.671,-8.761 13.335,-8.761
  Bottom Layer w0.254: JP1.3 13.335,-10.074 R11.2
NetJP1_4: JP1.4 R10.1 U1.2 | length 6.7
  Top Layer w0.254: U1.2 10.545,-11.305 ccw(c10.795,-11.305) JP1.4 JP1.4@10.754,-11.596
  Bottom Layer w0.254: R10.1@10.795,-14.476 JP1.4
NetJP2_3: JP2.3 R13.2 R15.2 U2.4 | length 9.7
  Top Layer w0.254: U2.4 30.201,-8.241 30.721,-8.761 31.991,-8.761 ; JP2.3 31.991,-8.761 ; R15.2@33.327,-8.761 31.991,-8.761
  Bottom Layer w0.254: JP2.3 31.991,-10.087 R13.2
NetJP2_4: JP2.4 R12.1 U2.2 | length 6.6
  Top Layer w0.254: U2.2 29.201,-11.305 ccw(c29.451,-11.305) JP2.4 JP2.4@29.537,-11.641
  Bottom Layer w0.254: R12.1@29.451,-14.351 JP2.4
NetP1_23: P1.23 S1.6 | length 35.6
  Top Layer w0.254: P1.23 0.985,-22.985 v1(30.48,-22.985)
  Bottom Layer w0.254: S1.6@29.439,-18.683 30.48,-19.724 v1(30.48,-22.985)
SCK: P1.21 P2.6 | length 35.3
  Top Layer w0.254: P1.21 1.969,-21.969 28.702,-21.969 P2.6@32.766,-17.905
SCL: P1.8 P2.1 | length 56
  Top Layer w0.254: v1(2.413,-27.557) 5.207,-30.351 32.512,-30.351 P2.1@32.766,-30.605
  Bottom Layer w0.254: P1.8 -1.017,-6.983 0.762,-6.983 1.27,-7.491 1.27,-14.351 2.413,-15.494 v1(2.413,-27.557)
SDA: P1.7 P2.2 | length 52
  Top Layer w0.254: v1(3.91,-26.103) 6.001,-28.194 P2.2@32.766,-28.194
  Bottom Layer w0.254: P1.7 0.922,-6 1.778,-6.856 1.778,-12.827 3.91,-14.959 v1(3.91,-26.103)
SS: P2.7 S1.5 | length 4.1
  Bottom Layer w0.254: S1.5@29.65,-17.78 30.351,-17.78 P2.7@32.766,-15.365
pads on no net: P1.1 P1.3 P1.6 P1.9 P1.10 P1.11 P1.12 P1.14 P1.15 P1.16 P1.17 P1.20 P1.22 P1.24 P1.25 P1.26 P1.27 P1.28 P1.29 P1.31 P1.32 P1.33 S1.4 U1.5 U1.6 U1.12 U1.13 U2.5 U2.6 U2.12 U2.13

## Polygon pours and split planes (outlines as drawn)
GND on Top Layer "ground" (solid, remove dead copper, pour order 46): -1.143,-44.078 cw(c-1.143,-40.511) -4.71,-40.511 -4.71,8.511 cw(c-1.143,8.511) -1.143,12.078 35.635,12.078 ccw(c35.635,15.549) 38.294,13.318 44.16,19.184 cw(c44.195,19.148) 44.189,19.198 cw(c45.974,16.512) 45.974,19.737 51.054,19.737 cw(c51.054,16.512) 54.279,16.512 cw(c51.054,16.512) 51.503,13.318 ccw(c51.938,10.224) 48.815,10.325 cw(c48.769,10.307) 48.818,10.306 48.818,-39.512 cw(c48.769,-39.513) 48.815,-39.531 ccw(c51.938,-39.43) 51.502,-42.524 cw(c51.054,-45.718) 54.279,-45.718 cw(c51.054,-45.718) 51.054,-48.943 46.101,-48.943 cw(c46.101,-45.718) 44.166,-48.298 39.129,-43.262 cw(c41.407,-40.511) 37.835,-40.511 37.835,-37.973 ccw(c34.258,-37.867) 34.364,-34.29 5.901,-34.29 ccw(c5.991,-37.876) 2.405,-37.973 2.424,-40.511 cw(c-1.143,-40.511)
NetFB2_1 on Top Layer "spk" (solid, remove dead copper, pour order 32): 10.922,-4.602 10.922,-4.138 10.497,-3.713 9.535,-3.713 9.535,-2.538 11.176,-2.538 11.176,-4.602
NetFB4_1 on Top Layer "spk" (solid, remove dead copper, pour order 38): 29.578,-4.57 29.578,-4.062 29.197,-3.681 28.234,-3.681 28.234,-2.538 29.832,-2.538 29.832,-4.57
NetFB3_1 on Top Layer "spk" (solid, remove dead copper, pour order 36): 30.086,-4.57 30.086,-2.538 31.102,-2.538 31.102,-3.808 30.34,-3.808 30.34,-4.57
NetFB1_1 on Top Layer "spk" (solid, remove dead copper, pour order 34): 11.43,-4.697 11.43,-2.516 12.446,-2.516 12.446,-3.786 11.684,-3.786 11.684,-4.697
GND on Bottom Layer "ground" (solid, remove dead copper, pour order 47): -1.143,-44.078 cw(c-1.143,-40.511) -4.71,-40.511 -4.71,8.511 cw(c-1.143,8.511) -1.143,12.078 35.635,12.078 ccw(c35.635,15.549) 38.294,13.318 44.16,19.184 cw(c44.195,19.148) 44.189,19.198 cw(c45.974,16.512) 45.974,19.737 51.054,19.737 cw(c51.054,16.512) 54.279,16.512 cw(c51.054,16.512) 51.503,13.318 ccw(c51.938,10.224) 48.815,10.325 cw(c48.769,10.307) 48.818,10.306 48.818,-39.512 cw(c48.769,-39.513) 48.815,-39.531 ccw(c51.938,-39.43) 51.502,-42.524 cw(c51.054,-45.718) 54.279,-45.718 cw(c51.054,-45.718) 51.054,-48.943 46.101,-48.943 cw(c46.101,-45.718) 44.166,-48.298 39.129,-43.262 cw(c41.407,-40.511) 37.835,-40.511 37.835,-37.973 ccw(c34.258,-37.867) 34.364,-34.29 5.901,-34.29 ccw(c5.991,-37.876) 2.405,-37.973 2.424,-40.511 cw(c-1.143,-40.511)
5V on Bottom Layer "ground" (solid, pour order 31): 20.574,1.399 22.606,3.431 22.606,4.955 17.526,4.955 17.526,3.431 19.558,1.399

## Keep-outs
Keep-Out Layer:
  lines w0.1: 5.901,-34.34 5.902,-34.34 ; 44.13,-48.334 44.13,-48.333 ; 2.455,-37.973 ccw(c2.405,-37.973) 2.455,-37.973 ; 2.455,-37.973 ccw(c2.405,-37.973) 2.455,-37.972 ; 2.455,-37.973 2.474,-40.51 ; 2.455,-37.973 2.455,-37.973 ccw(c2.405,-37.973) 2.455,-37.972 ; 2.455,-37.972 cw(c5.991,-37.876) 5.902,-34.34 ; 2.474,-40.511 cw(c-1.143,-40.511) -1.143,-44.128 cw(c-1.143,-40.511) -4.76,-40.511 -4.76,8.511 cw(c-1.143,8.511) -1.143,12.128 35.635,12.128 ; 2.474,-40.511 ccw(c2.424,-40.511) 2.474,-40.511 ; 2.474,-40.511 ccw(c2.424,-40.511) 2.474,-40.51 ; 2.474,-40.511 2.474,-40.51 ; 5.902,-34.34 ccw(c5.991,-37.876) 5.902,-34.34 ; 5.902,-34.34 34.363,-34.34 ; 34.363,-34.34 cw(c34.258,-37.867) 37.787,-37.867 cw(c34.258,-37.867) 37.785,-37.972 ccw(c37.835,-37.973) 37.785,-37.974 ; 34.363,-34.34 ccw(c34.258,-37.867) 34.363,-34.34 ; 35.635,12.128 ccw(c35.635,15.549) 38.256,13.35 cw(c38.294,13.318) 38.259,13.354 ; 35.635,12.128 35.635,12.128 ; 37.785,-40.511 ccw(c41.407,-40.511) 39.095,-43.299 44.13,-48.333 ; 37.785,-40.511 ccw(c37.835,-40.511) 37.785,-40.511 ; 37.785,-40.511 ccw(c37.835,-40.511) 37.785,-40.511 ; 37.785,-40.511 37.785,-40.511 ; 37.785,-40.511 37.785,-37.974 ; 37.785,-37.974 37.785,-37.973 ; 38.259,13.353 38.259,13.354 ; 38.259,13.354 44.124,19.219 ; 44.124,19.219 cw(c44.195,19.148) 44.169,19.245 cw(c45.974,16.512) 45.972,19.787 cw(c45.974,19.737) 45.974,19.787 51.054,19.787 ; 44.124,19.219 ccw(c44.195,19.148) 44.124,19.219 ; 44.13,-48.333 ccw(c44.166,-48.298) 44.136,-48.338 ccw(c46.101,-45.718) 46.101,-48.993 ; 46.101,-48.993 46.101,-48.993 ; 46.101,-48.993 46.101,-48.993 ; 46.101,-48.993 51.054,-48.993 ; 48.868,-39.513 cw(c48.769,-39.513) 48.865,-39.538 ccw(c51.938,-39.43) 51.509,-42.474 cw(c51.054,-45.718) 54.329,-45.716 cw(c54.279,-45.718) 54.329,-45.718 cw(c51.054,-45.718) 51.055,-48.993 ; 48.868,-39.513 ccw(c48.769,-39.513) 48.868,-39.513 ; 48.868,-39.513 ccw(c48.769,-39.513) 48.868,-39.512 ; 48.868,-39.512 ccw(c48.769,-39.513) 48.868,-39.512 ; 48.868,-39.513 ccw(c48.818,-39.512) 48.868,-39.512 ; 48.868,-39.512 48.868,10.306 ccw(c48.818,10.306) 48.868,10.309 ccw(c48.769,10.307) 48.865,10.332 cw(c51.938,10.224) 51.51,13.268 ccw(c51.503,13.318) 51.511,13.269 ccw(c51.054,16.512) 54.329,16.512 ccw(c54.279,16.512) 54.329,16.514 ccw(c51.054,16.512) 51.055,19.787 ; 51.054,-48.993 ccw(c51.054,-45.718) 51.055,-48.993 ; 51.054,-48.993 ccw(c51.054,-48.943) 51.055,-48.993 ; 51.055,19.787 ccw(c51.054,19.737) 51.054,19.787 ; 51.055,19.787 ccw(c51.054,16.512) 51.054,19.787

## Other copper
Top Layer:
  pour cut-out: 28.302,-7.624 28.302,-5.326 30.6,-5.326 30.594,-5.332 30.594,-7.618 28.308,-7.618
  pour cut-out: 9.646,-7.624 9.646,-5.326 11.944,-5.326 11.938,-5.332 11.938,-7.618 9.652,-7.618

## Silkscreen, mask and mechanical layers (free items; w line width, h text height)
Top Overlay:
  lines w0.2: 1.905,-11.555 ccw(c4.445,-11.555) 4.445,-14.095 17.145,-14.095 ccw(c17.145,-11.555) 19.685,-11.555 19.685,2.415 ccw(c17.145,2.415) 17.145,4.955 4.445,4.955 ccw(c4.445,2.415) 1.905,2.415 1.905,-11.555 ; 20.561,-11.555 ccw(c23.101,-11.555) 23.101,-14.095 35.801,-14.095 ccw(c35.801,-11.555) 38.341,-11.555 38.341,2.415 ccw(c35.801,2.415) 35.801,4.955 23.101,4.955 ccw(c23.101,2.415) 20.561,2.415 20.561,-11.555
  text "+" at 17.653,9.781 h1.52
  text "+" at 36.563,9.781 h1.52
  text "L" at 10.16,8.892 h1.52
  text "R" at 28.943,8.892 h1.52
  text "(C) 2018 Sorgelig" at 19.558,-33.399 h1.52
  text "PiTopAudio v1.1" at 7.747,-33.668 h1.52